# Altium PCB ATM1099C-0627-ssy-1.brd.PcbDoc (part 2 of 4) (continued)
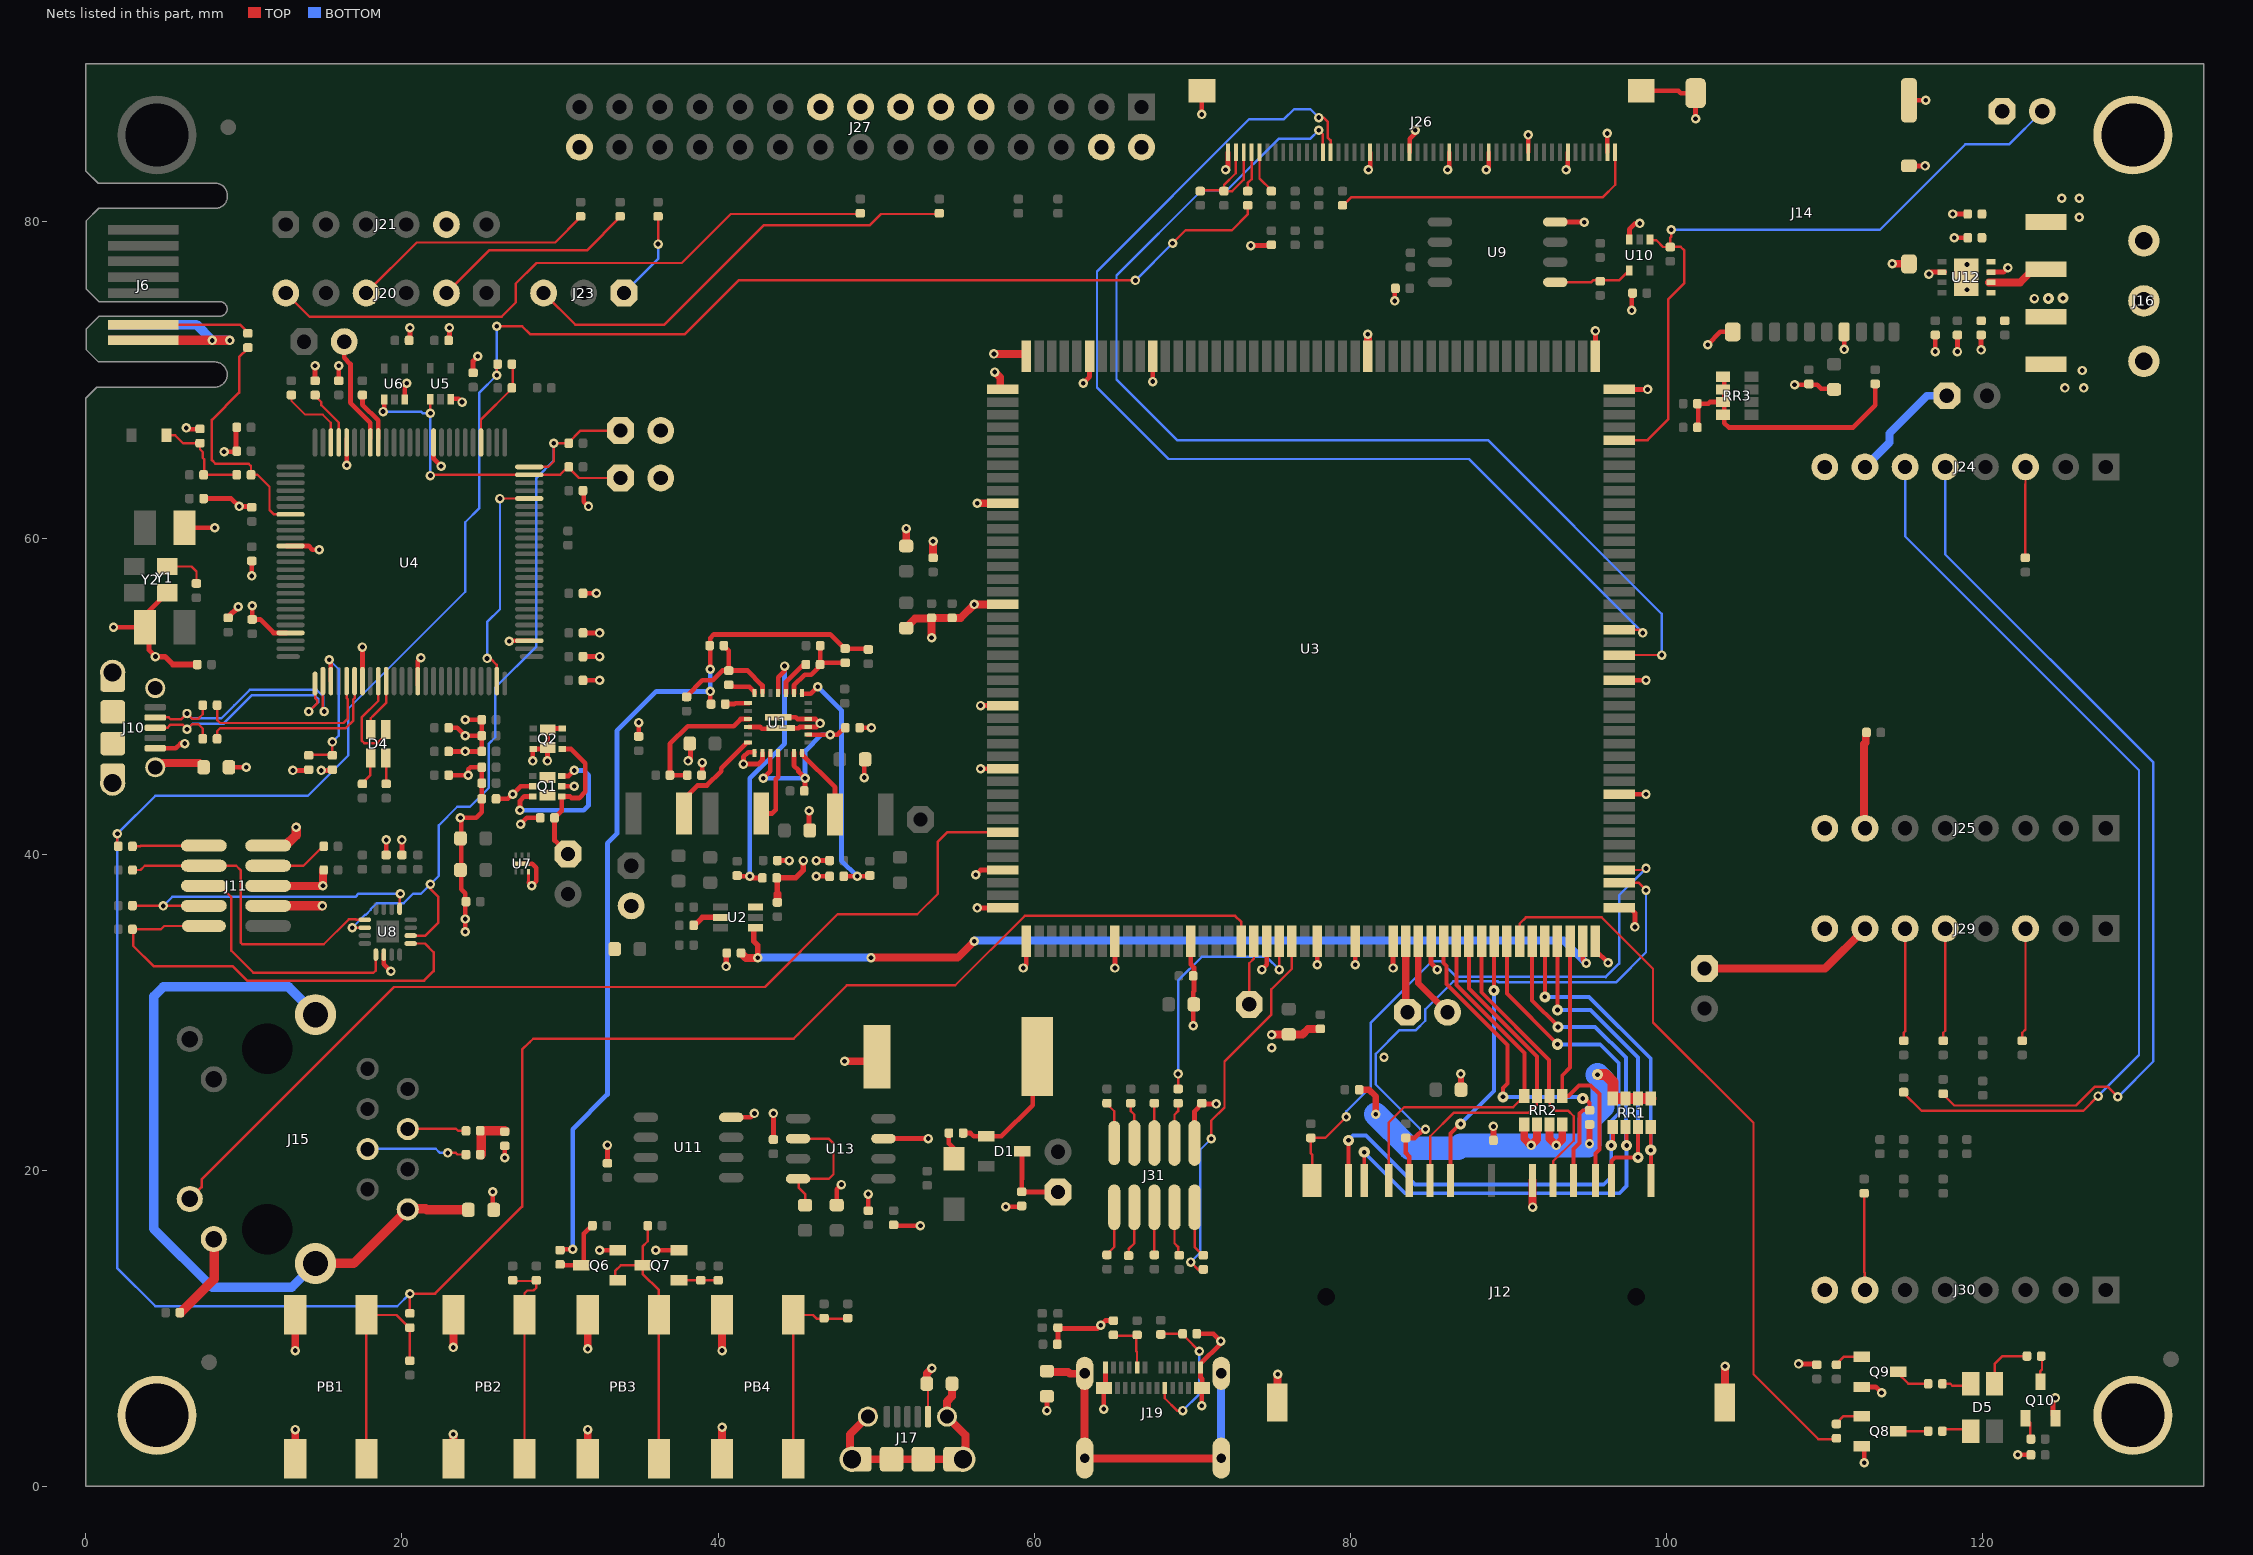
[diagram p4: the nets of this part, all layers, seen from the top]
## Part data (continued)
R78 R79: library part RSMT1212, Manufacturer 1="Vishay Dale", Manufacturer Part Number 1=CRCW040236K0FKED, Operating Temperature="-55C to +155C", Package=0402, Power=1/16W, Supplier Part Number 1=541-36.0KLCT-ND, Temperature Coeffcient=100ppm/C, Tolerance=1%, Voltage=50V, Category=Resistor, ComponentLink1Description="SVN Datasheet", ComponentLink1URL=https://chn-vm-apps.microchip.com/mchprepo/parts/Datasheets/dcrcwe3.pdf, ComponentLink2Description="Local Datasheet", ComponentLink2URL=C:\ALTIUM_WORK\00001_MCHP-CDB\Datasheets\dcrcwe3.pdf, ComponentLink3Description="Open Symbol", ComponentLink3URL=C:\ALTIUM_WORK\00001_MCHP-CDB\Library\LibraryRefs\Resistor.SchLib, ComponentLink4Description="Open Footprint", ComponentLink4URL=C:\ALTIUM_WORK\00001_MCHP-CDB\Library\Footprints\RES_C_0402.PcbLib, ComponentLink5Description="Open Footprint 2", ComponentLink6Description="Open Footprint 3", ComponentLink7Description="Open Footprint 4", Composition=TKF, Description_="RES TKF 36k 1% 1/16W SMD 0402", Dev Tools Status=Design, MCHP-ID=RSMT1212, Owner="Dragos Danaila", Populated=YES, Quantity Override=1, Revision=A, Status="MCL Design", Supplier 1=Digi-Key, Symbol=Resistor, Type="RES SMD"
R84 R86 R87 R88 R91 R94 R95 R96 R97 R99 R101 R102 R103 R104 R105 R106 R107 R108: library part RES1474, Manufacturer 1="Panasonic Electronic Components", Manufacturer Part Number 1=ERJ-2RKF22R0X, Operating Temperature="-55C to +155C", Package=0402, Power=1/10W, Supplier Part Number 1=P22.0LCT-ND, Temperature Coeffcient=100ppm/C, Tolerance=1%, Category=Resistor, Circuit Type=Isolated, ComponentLink1Description="SVN Datasheet", ComponentLink2Description="Local Datasheet", ComponentLink3Description="Open Symbol", ComponentLink3URL=C:\ALTIUM_WORK\00001_MCHP-CDB\Library\LibraryRefs\Resistor.SchLib, ComponentLink4Description="Open Footprint", ComponentLink4URL=C:\ALTIUM_WORK\00001_MCHP-CDB\Library\Footprints\RES_C_0402.PcbLib, ComponentLink5Description="Open Footprint 2", ComponentLink6Description="Open Footprint 3", ComponentLink7Description="Open Footprint 4", Composition=TKF, Description_="RES TKF 22R 1% 1/20W SMD 0402", Dev Tools Status=Production, MCHP-ID=RES1474, Owner="Mike Ragsdale", Populated=YES, Quantity Override=1, Revision=1, Status="MCL Design", Supplier 1=Digi-Key, Symbol=Resistor, Type="RES SMD"
R110 R111 R112 R113 R114 R116: library part RES1459, Manufacturer 1="KOA Speer", Manufacturer Part Number 1=RK73H1ETTP3300F, Operating Temperature="-55C to +155C", Package=0402, Power=1/10W, Supplier Part Number 1=660-RK73H1ETTP3300F, Temperature Coeffcient=100ppm/C, Tolerance=1%, Category=Resistor, Circuit Type=Isolated, ComponentLink1Description="SVN Datasheet", ComponentLink1URL=https://chn-vm-apps.microchip.com/mchprepo/parts/Datasheets/RK73H.pdf, ComponentLink2Description="Local Datasheet", ComponentLink2URL=C:\ALTIUM_WORK\00001_MCHP-CDB\Datasheets\RK73H.pdf, ComponentLink3Description="Open Symbol", ComponentLink3URL=C:\ALTIUM_WORK\00001_MCHP-CDB\Library\LibraryRefs\Resistor.SchLib, ComponentLink4Description="Open Footprint", ComponentLink4URL=C:\ALTIUM_WORK\00001_MCHP-CDB\Library\Footprints\RES_C_0402.PcbLib, ComponentLink5Description="Open Footprint 2", ComponentLink6Description="Open Footprint 3", ComponentLink7Description="Open Footprint 4", Composition=TF, Description_="RES TKF 330R 1% 1/10W SMD 0402", Dev Tools Status=Production, MCHP-ID=RES1459, Owner="Stephen Humberd", Populated=YES, Quantity Override=1, Revision=1, Status="MCL Design", Supplier 1=Mouser, Symbol=Resistor, Type="RES SMD"
RR1 RR2 RR3: library part RNET1004, "Resistor", Current=1A, Manufacturer 1=Yageo, Manufacturer Part Number 1=YC164-JR-0768KL, Operating Temperature="-55C to +155C", Package=1206, Power=62.5mW, Supplier Part Number 1=YC164J-68KCT-ND, Temperature Coeffcient=200ppm/C, Tolerance=5%, Voltage=50V, Category=Resistor, ComponentLink1Description="SVN Datasheet", ComponentLink1URL=https://chn-vm-apps.microchip.com/mchprepo/parts/Datasheets/YC102-358,TC122-164_Series_DS, ComponentLink2Description="Local Datasheet", ComponentLink2URL=C:\ALTIUM_WORK\00001_MCHP-CDB\Datasheets\YC102-358,TC122-164_Series_DS, ComponentLink3Description="Open Symbol", ComponentLink3URL="C:\ALTIUM_WORK\00001_MCHP-CDB\Library\LibraryRefs\Resistor Network 4-Ch.SchLib", ComponentLink4Description="Open Footprint", ComponentLink4URL=C:\ALTIUM_WORK\00001_MCHP-CDB\Library\Footprints\RES_C_CAV_0603x4.PcbLib, ComponentLink5Description="Open Footprint 2", ComponentLink6Description="Open Footprint 3", ComponentLink7Description="Open Footprint 4", Description_="RES NET 68k 5% 62.5mW SMD 0603x4", Dev Tools Status=Design, MCHP-ID=RNET1004, Owner="Alexandru Chiser - M19201", Populated=YES, Quantity Override=1, Revision=A, Status="MCL Design", Supplier 1=Digi-Key, Symbol="Resistor Network 4-Ch", Type="RES Network SMD"
U1: library part MIC6961, "MCHP ANALOG SWITCHER Buck 1V MIC23451-AAAYFL VQFN-26", Manufacturer 1=Microchip, Manufacturer Part Number 1=MIC23451-AAAYFL, Category=MCHP-Analog, ComponentLink1Description="SVN Datasheet", ComponentLink2Description="Local Datasheet", ComponentLink2URL=C:\ALTIUM_WORK\00001_MCHP-CDB\Datasheets\MIC23451.pdf, ComponentLink3Description="Open Symbol", ComponentLink3URL="C:\ALTIUM_WORK\00001_MCHP-CDB\Library\LibraryRefs\MIC23451 VQFN-26.SchLib", ComponentLink4Description="Open Footprint", ComponentLink4URL=C:\ALTIUM_WORK\00001_MCHP-CDB\Library\Footprints\VQFN-26_4X4_MIC23451.PcbLib, ComponentLink5Description="Open Footprint 2", ComponentLink6Description="Open Footprint 3", ComponentLink7Description="Open Footprint 4", Description_="MCHP ANALOG SWITCHER Buck 1V MIC23451-AAAYFL VQFN-26", Dev Tools Status=Design, MCHP-ID=MIC6961, Owner="Razvan Cristescu", Populated=YES, Quantity Override=1, Revision=A, Status="MCL Design", Supplier 1=Microchip, Supplier Part Number 1=MIC23451-AAAYFL, Symbol="MIC23451 VQFN-26", Type=Switcher
U2: library part ic1435, "IC SWITCHER ADG849 Analog Switch SC70", Manufacturer 1="Analog Devices Inc.", Manufacturer Part Number 1=ADG849YKSZ-REEL7, Operating Temperature="-40C to +125C", Package=SC-70-6, Supplier Part Number 1=ADG849YKSZ-REEL7CT-ND, Category=IC, ComponentLink1Description="SVN Datasheet", ComponentLink1URL=https://chn-vm-apps.microchip.com/mchprepo/parts/Datasheets/ADG849.pdf, ComponentLink2Description="Local Datasheet", ComponentLink2URL=C:\ALTIUM_WORK\00001_MCHP-CDB\Datasheets\ADG849.pdf, ComponentLink3Description="Open Symbol", ComponentLink3URL="C:\ALTIUM_WORK\00001_MCHP-CDB\Library\LibraryRefs\ADG849 SC70.SchLib", ComponentLink4Description="Open Footprint", ComponentLink4URL=C:\ALTIUM_WORK\00001_MCHP-CDB\Library\Footprints\SC-70-6.PcbLib, ComponentLink5Description="Open Footprint 2", ComponentLink6Description="Open Footprint 3", ComponentLink7Description="Open Footprint 4", Description_="IC SWITCHER ADG849 Analog Switch SC70", Dev Tools Status=Design, MCHP-ID=IC1435, Owner="Dragos Danaila", Populated=YES, Quantity Override=1, Revision=A, Status="MCL Design", Supplier 1=Digi-Key, Symbol="ADG849 SC70", Vin=5V
U3: library part MIC7283, "MCHP MCU 32-BIT SOM 500MHz 128kB ETHERNET EEPROM ATSAMA5D27-SOM1 MODULE", Manufacturer 1="Microchip Production", Manufacturer Part Number 1=ATSAMA5D27-SOM1, Category=MCHP-Microcontroller, ComponentLink1Description="SVN Datasheet", ComponentLink2Description="Local Datasheet", ComponentLink2URL=C:\ALTIUM_WORK\00001_MCHP-CDB\Datasheets\N/A, ComponentLink3Description="Open Symbol", ComponentLink3URL="C:\ALTIUM_WORK\00001_MCHP-CDB\Library\LibraryRefs\MOD SOM SAMA5D27-DXG-SOM1 40x38mm.SchLib", ComponentLink4Description="Open Footprint", ComponentLink4URL="C:\ALTIUM_WORK\00001_MCHP-CDB\Library\Footprints\MOD SOM SAMA5D27-SOM1 40MMX38MM.PcbLib", ComponentLink5Description="Open Footprint 2", ComponentLink6Description="Open Footprint 3", ComponentLink7Description="Open Footprint 4", Description_="MCHP MCU 32-BIT SOM 500MHz 128kB ETHERNET EEPROM ATSAMA5D27-SOM1 MODULE", Dev Tools Status=Design, MCHP-ID=MIC7283, Owner="Dragos Danaila", Populated=YES, Quantity Override=1, Revision=A, Status="MCL Design", Supplier 1="Microchip Production", Supplier Part Number 1=ATSAMA5D27-SOM1, Symbol="MOD SOM SAMA5D27-DXG-SOM1 40x38mm", Type="32-Bit System-on-Module"
U4: library part MIC7235, Manufacturer 1="Microchip Technology", Manufacturer Part Number 1=ATSAM3U4CA-AU, PackageType=LQFP, PackageWidth=14x14x1.4mm, Supplier Part Number 1=ATSAM3U4CA-AU-ND, TempRange="-40C to +85C", ADCBit=12, ADC Channels=8, CAN=0, CapTouchCH=28, Category=MCHP-Microcontroller, Comparators=0, ComponentLink1Description="SVN Datasheet", ComponentLink1URL=http://www.microchip.com/wwwproducts/Devices.aspx?product=ATSAM3U4C, ComponentLink2Description="Local Datasheet", ComponentLink2URL=C:\ALTIUM_WORK\00001_MCHP-CDB\Datasheets\atmel-6430-32-bit-cortex-m3-microcontroller-sam3u4-sam3u2-sam3u1_datasheet.pdf, ComponentLink3Description="Open Symbol", ComponentLink3URL="C:\ALTIUM_WORK\00001_MCHP-CDB\Library\LibraryRefs\ATSAM3U4CA-AU LQFP-100.SchLib", ComponentLink4Description="Open Footprint", ComponentLink4URL=C:\ALTIUM_WORK\00001_MCHP-CDB\Library\Footprints\LQFP-100_14x14.PcbLib, ComponentLink5Description="Open Footprint 2", ComponentLink6Description="Open Footprint 3", ComponentLink7Description="Open Footprint 4", DAChannels=0, Description_="MCHP MCU 32-BIT 96MHz 256kB 56kB ATSAM3U4CA-AU LQFP-100", Dev Tools Status=Design, DigitalTimerQty_8bit=0, DigitalTimerQty_16bit=3, DigitalTimerQty_32bit=0, EEPROM=0, Family=ATSAM3U, ForceMinOrderQtyMult=True, I2C=1, Input Capture=6, IntroductionDate=2016-12-22, IOpins=57, LeadContent=HALOGEN-FREE, LeadCount=100, MAPS Description="LQFP,GREEN,IND TEMP,MRL A", MaxSpeed=96, MCHP-ID=MIC7235, MinOrderQty=90, MPC=58Z247H7XC04, mtrlcntrlpwmchannels=0, OscillatorMHz=4,8,12Mhz,32Khz, Owner="Alexandru Chiser - M19201", PackingMedia=TRAY, Populated=YES, Program Memory KBytes=256, Program Memory KWords=64, PWM Channels=0, QEI Channels=1, Quantity Override=1, Ram=51200, Revision=A, SegmentLCD=0, SMPS PWM Channels=0, SPI=4, Stage=REL, Status="MCL Design", Supplier 1=Digi-Key, Symbol="ATSAM3U4CA-AU LQFP-100", Type=32-Bit, USART=4, USBChannels=1
U5 U6: library part IC1434, Manufacturer 1="ON Semiconductor", Manufacturer Part Number 1=NL17SZ126DFT2G, Operating Temperature="-40C to +125C", Package=SOT-353, Supplier Part Number 1=NL17SZ126DFT2GOSCT-ND, Category=IC, ComponentLink1Description="SVN Datasheet", ComponentLink1URL=https://chn-vm-apps.microchip.com/mchprepo/parts/Datasheets/NL17SZ126-D.PDF, ComponentLink2Description="Local Datasheet", ComponentLink2URL=C:\ALTIUM_WORK\00001_MCHP-CDB\Datasheets\NL17SZ126-D.PDF, ComponentLink3Description="Open Symbol", ComponentLink3URL="C:\ALTIUM_WORK\00001_MCHP-CDB\Library\LibraryRefs\NL17SZ126-D SOT-353.SchLib", ComponentLink4Description="Open Footprint", ComponentLink4URL=C:\ALTIUM_WORK\00001_MCHP-CDB\Library\Footprints\SOT-353.PcbLib, ComponentLink5Description="Open Footprint 2", ComponentLink6Description="Open Footprint 3", ComponentLink7Description="Open Footprint 4", Description_="IC BUFFER NL17SZ126DFT2G TRI-ST NON-INV SOT-353", Dev Tools Status=Design, MCHP-ID=IC1434, Owner="Alexandru Chiser - M19201", Populated=YES, Quantity Override=1, Revision=A, Status="MCL Design", Supplier 1=Digi-Key, Symbol="NL17SZ126-D SOT-353", Type=Buffer, Vin="-0.5V to +7.0V"
U7: library part MIC6905, Manufacturer 1="Microchip Technology", Manufacturer Part Number 1=MIC5528-3.3YMT-TR, PackageType=UDFN, PackageWidth=1.2x1.2x0.6mm, Supplier Part Number 1=576-4766-1-ND, TempRange="-40C to +125C", Category=MCHP-Analog, ComponentLink1Description="SVN Datasheet", ComponentLink1URL=http://www.microchip.com/wwwproducts/Devices.aspx?product=MIC5528, ComponentLink2Description="Local Datasheet", ComponentLink2URL=C:\ALTIUM_WORK\00001_MCHP-CDB\Datasheets\MIC5528.pdf, ComponentLink3Description="Open Symbol", ComponentLink3URL="C:\ALTIUM_WORK\00001_MCHP-CDB\Library\LibraryRefs\MIC5528MT DFN-6.SchLib", ComponentLink4Description="Open Footprint", ComponentLink4URL=C:\ALTIUM_WORK\00001_MCHP-CDB\Library\Footprints\DFN-6_1.2x1.2.PcbLib, ComponentLink5Description="Open Footprint 2", ComponentLink6Description="Open Footprint 3", ComponentLink7Description="Open Footprint 4", Description_="MCHP ANALOG LDO 3.3V MIC5528-3.3YMT-TR 6-TDFN", Dev Tools Status=Production, ForceMinOrderQtyMult=True, IntroductionDate=2015-10-18, LeadContent=Pb-FREE, LeadCount=6, MAPS Description="Single, 500mA LDO w/ Auto Discharge & Internal Enable Pulldown", MCHP-ID=MIC6905, MinOrderQty=5000, MPC=TKFC1YHHAA02, Owner="Tim Moffat", PackingMedia=T/R, Populated=YES, Quantity Override=1, Revision=1, Stage=REL, Status="MCL Design", Supplier 1=Digi-Key, Symbol="MIC5528MT DFN-6", tblDeviceFamilyID=7519, Type=LDO
U8: library part IC1436, "IC SWITCHER NLAS3899B Analog Switch QFN16", Manufacturer 1="ON Semiconductor", Manufacturer Part Number 1=NLAS3899BMNTWG, Operating Temperature="-65C to +150C", Package=QFN16, Supplier Part Number 1=863-NLAS3899BMNTWG, Category=IC, ComponentLink1Description="SVN Datasheet", ComponentLink1URL=https://chn-vm-apps.microchip.com/mchprepo/parts/Datasheets/NLAS3899B-D-260431.pdf, ComponentLink2Description="Local Datasheet", ComponentLink2URL=C:\ALTIUM_WORK\00001_MCHP-CDB\Datasheets\NLAS3899B-D-260431.pdf, ComponentLink3Description="Open Symbol", ComponentLink3URL="C:\ALTIUM_WORK\00001_MCHP-CDB\Library\LibraryRefs\NLAS3899B QFN16.SchLib", ComponentLink4Description="Open Footprint", ComponentLink4URL=C:\ALTIUM_WORK\00001_MCHP-CDB\Library\Footprints\QFN-16_3X3_EP1.4X1.4.PcbLib, ComponentLink5Description="Open Footprint 2", ComponentLink6Description="Open Footprint 3", ComponentLink7Description="Open Footprint 4", Description_="IC SWITCHER NLAS3899B Analog Switch QFN16", Dev Tools Status=Design, MCHP-ID=IC1436, Owner="Dragos Danaila", Populated=YES, Quantity Override=1, Revision=A, Status="MCL Design", Supplier 1=Digi-Key, Symbol="NLAS3899B QFN16", Type=Switcher, Vin=4.3V
U9: library part MIC6216, "SQI Serial Flash", Manufacturer 1="Microchip Technology", Manufacturer Part Number 1=SST26VF064B-104I/SM, MaxClockFreq="104 MHz", OpVoltMax=3.6, OpVoltMin=2.3, PackageType=SOIJ, PackageWidth=.208in, TempRange="-40C to +85C", Busmodes=SPI,SDI,SQI, Category=MCHP-Memory, ComponentLink1Description="SVN Datasheet", ComponentLink1URL=http://www.microchip.com/wwwproducts/Devices.aspx?product=SST26VF064B, ComponentLink2Description="Local Datasheet", ComponentLink3Description="Open Symbol", ComponentLink3URL="C:\ALTIUM_WORK\00001_MCHP-CDB\Library\LibraryRefs\SST26VFXXX SOIC-8_WSON-8_SOIJ-8.SchLib", ComponentLink4Description="Open Footprint", ComponentLink4URL=C:\ALTIUM_WORK\00001_MCHP-CDB\Library\Footprints\SOIJ-8.PcbLib, ComponentLink5Description="Open Footprint 2", ComponentLink6Description="Open Footprint 3", ComponentLink7Description="Open Footprint 4", Description_="MCHP SERIAL FLASH SST26VF064B-104I/SM SOIJ-8", Dev Tools Status=Production, Endurance=100,000, ForceMinOrderQtyMult=False, IntroductionDate=2014-12-05, LeadContent=Pb-FREE, LeadCount=8, MAPS Description="64Mb 2.3V TO 3.6V SQI Flash Memory", MCHP-ID=MIC6216, MemorySizeNum=64, MinOrderQty=0, MPC=S01027C3XA23, Owner="Sompoch Loboonlert", PackingMedia=TUBE, PageSize_B=256, Populated=DNP, Quantity Override=1, Revision=1, Stage=REL, Status="MCL Design", Supplier 1="Microchip Technology", Supplier Part Number 1=SST26VF064B-104I/SM, Symbol="SST26VFXXX SOIC-8_WSON-8_SOIJ-8", Type="Serial Flash", WPScheme="Full Array"
U10: library part IC1433, Manufacturer 1="ON Semiconductor", Manufacturer Part Number 1=NL17SZ125DFT2G, Operating Temperature="-55C to +125C", Package=SOT-353, Supplier Part Number 1=NL17SZ125DFT2GOSCT-ND, Category=IC, ComponentLink1Description="SVN Datasheet", ComponentLink1URL=https://chn-vm-apps.microchip.com/mchprepo/parts/Datasheets/NL17SZ125-D.PDF, ComponentLink2Description="Local Datasheet", ComponentLink2URL=C:\ALTIUM_WORK\00001_MCHP-CDB\Datasheets\NL17SZ125-D.PDF, ComponentLink3Description="Open Symbol", ComponentLink3URL="C:\ALTIUM_WORK\00001_MCHP-CDB\Library\LibraryRefs\NL17SZ125-D SOT-353.SchLib", ComponentLink4Description="Open Footprint", ComponentLink4URL=C:\ALTIUM_WORK\00001_MCHP-CDB\Library\Footprints\SOT-353.PcbLib, ComponentLink5Description="Open Footprint 2", ComponentLink6Description="Open Footprint 3", ComponentLink7Description="Open Footprint 4", Description_="IC BUFFER NL17SZ125DFT2G TRI-ST NON-INV SOT-353", Dev Tools Status=Design, MCHP-ID=IC1433, Owner="Alexandru Chiser - M19201", Populated=DNP, Quantity Override=1, Revision=A, Status="MCL Design", Supplier 1=Digi-Key, Symbol="NL17SZ125-D SOT-353", Type=Buffer, Vin="-0.5V to +7.0V"
U11: library part MIC7054, Manufacturer 1="Microchip Technology", Manufacturer Part Number 1=ATECC608A-SSHDA-B, Category=MCHP-Memory, ComponentLink1Description="SVN Datasheet", ComponentLink2Description="Local Datasheet", ComponentLink3Description="Open Symbol", ComponentLink3URL="C:\ALTIUM_WORK\00001_MCHP-CDB\Library\LibraryRefs\ATECC608A-SSHDA-B SOIC-8.SchLib", ComponentLink4Description="Open Footprint", ComponentLink4URL=C:\ALTIUM_WORK\00001_MCHP-CDB\Library\Footprints\SOIC-8.PcbLib, ComponentLink5Description="Open Footprint 2", ComponentLink6Description="Open Footprint 3", ComponentLink7Description="Open Footprint 4", Description_="MCHP MEMORY SERIAL EEPROM CRYPTO I2C ATECC608A-SSHDA-B SOIC-8", Dev Tools Status=Production, MCHP-ID=MIC7054, Owner="Mark Loper", Populated=YES, Quantity Override=1, Revision=1, Status="MCL Design", Supplier 1="Microchip Technology", Supplier Part Number 1=ATECC608A-SSHDA-B, Symbol="ATECC608A-SSHDA-B SOIC-8"
U12: library part MIC7236, "MCHP INTERFACE CAN ATA6561-GBQW VDFN-8", Manufacturer 1="Microchip Technology", Manufacturer Part Number 1=ATA6561-GBQW, OperatingCurrentMax=0, OperatingVoltageMax=5.5, OperatingVoltageMin=4.5, PackageType=VDFN, PackageWidth=3x3x0.9mm, Supplier Part Number 1=1611-ATA6561-GBQWCT-ND, TempRange="-40C to +125C", BitrateMax=0, Category=MCHP-Interface, ComponentLink1Description="SVN Datasheet", ComponentLink1URL=http://www.microchip.com/wwwproducts/Devices.aspx?product=ATA6561, ComponentLink2Description="Local Datasheet", ComponentLink2URL=C:\ALTIUM_WORK\00001_MCHP-CDB\Datasheets\Atmel-9288-CAN-Networking-ATA6560-ATA6561_Datasheet.pdf, ComponentLink3Description="Open Symbol", ComponentLink3URL="C:\ALTIUM_WORK\00001_MCHP-CDB\Library\LibraryRefs\ATA6561 VDFN-8.SchLib", ComponentLink4Description="Open Footprint", ComponentLink4URL=C:\ALTIUM_WORK\00001_MCHP-CDB\Library\Footprints\DFN-8_3x3_EP2.4X1.55.PcbLib, ComponentLink5Description="Open Footprint 2", ComponentLink6Description="Open Footprint 3", ComponentLink7Description="Open Footprint 4", Description_="MCHP INTERFACE CAN ATA6561-GBQW VDFN-8", Dev Tools Status=Design, Filters=0, ForceMinOrderQtyMult=True, IntroductionDate=2017-02-03, LeadContent=Pb-FREE, LeadCount=8, MAPS Description="CAN TRX with VIO PIN (DFN8)", Masks=0, MCHP-ID=MIC7236, MinOrderQty=6000, MPC=77A09YQ8BC07, Owner="Alexandru Chiser - M19201", PackingMedia=T/R, Populated=YES, PropDelayMax=0, Quantity Override=1, Revision=A, Stage=REL, StandbyCurrentMax=0, Status="MCL Design", Supplier 1=Digi-Key, Symbol="ATA6561 VDFN-8", tblDeviceFamilyID=11070, Type=CAN
U13: library part MIC7234, Manufacturer 1="Microchip Technology", Manufacturer Part Number 1=MIC2025-1YM, Supplier Part Number 1=576-1057-ND, Category=MCHP-Analog, ComponentLink1Description="SVN Datasheet", ComponentLink2Description="Local Datasheet", ComponentLink2URL=C:\ALTIUM_WORK\00001_MCHP-CDB\Datasheets\MIC2025_2075.pdf, ComponentLink3Description="Open Symbol", ComponentLink3URL="C:\ALTIUM_WORK\00001_MCHP-CDB\Library\LibraryRefs\MCHP ANALOG POWER SWITCH 5.5V 0.7A MIC2025-1YM SOIC8.SchLib", ComponentLink4Description="Open Footprint", ComponentLink4URL=C:\ALTIUM_WORK\00001_MCHP-CDB\Library\Footprints\SOIC-8.PcbLib, ComponentLink5Description="Open Footprint 2", ComponentLink6Description="Open Footprint 3", ComponentLink7Description="Open Footprint 4", Description_="MCHP ANALOG POWER SWITCH 5.5V 0.7A MIC2025-1YM SOIC8", Dev Tools Status=Design, MCHP-ID=MIC7234, Owner="Dragos Danaila", Populated=YES, Quantity Override=1, Revision=A, Status="MCL Design", Supplier 1=Digi-Key, Symbol="MCHP ANALOG POWER SWITCH 5.5V 0.7A MIC2025-1YM SOIC8", Type="Power Switch"
Y1: library part OSC1155, "Crystal", Load Capacitance=16pF, Manufacturer 1="IQD Frequency Products", Manufacturer Part Number 1=LFXTAL026384Reel, Operating Temperature="-20C to +70C", Package="7.5mm X 5mm", Supplier Part Number 1=449-LFXTAL026384REEL, Supply Current=-, Tolerance=30ppm, Category=Crystal/Oscillator, ComponentLink1Description="SVN Datasheet", ComponentLink1URL=https://chn-vm-apps.microchip.com/mchprepo/parts/Datasheets/LFXTAL026384Reel-940412.pdf, ComponentLink2Description="Local Datasheet", ComponentLink2URL=C:\ALTIUM_WORK\00001_MCHP-CDB\Datasheets\LFXTAL026384Reel-940412.pdf, ComponentLink3Description="Open Symbol", ComponentLink3URL="C:\ALTIUM_WORK\00001_MCHP-CDB\Library\LibraryRefs\Crystal 4 Pins.SchLib", ComponentLink4Description="Open Footprint", ComponentLink4URL=C:\ALTIUM_WORK\00001_MCHP-CDB\Library\Footprints\CRYSTAL_L7.5W5.2H1.4.PcbLib, ComponentLink5Description="Open Footprint 2", ComponentLink6Description="Open Footprint 3", ComponentLink7Description="Open Footprint 4", Description_="CRYSTAL 12MHz 16pF SMD L7.5W5.0H1.4", Dev Tools Status=Design, MCHP-ID=OSC1155, Owner="Dragos Danaila", Populated=DNP, Quantity Override=1, Revision=A, Status="MCL Design", Supplier 1=Mouser, Symbol="Crystal 4 Pins", Type=Crystal, Voltage=-
Y2: library part OSC1154, "OSCILLATOR 12MHz 3.3V SMD ASE", Manufacturer 1="Abracon LLC", Manufacturer Part Number 1=ASE-12.000MHZ-LC-T, Operating Temperature="-55C to +125C", Package=ASE, Supplier Part Number 1=535-9561-1-ND, Supply Current=7mA, Tolerance=50ppm, Voltage=3.3V, Category=Crystal/Oscillator, ComponentLink1Description="SVN Datasheet", ComponentLink1URL=https://chn-vm-apps.microchip.com/mchprepo/parts/Datasheets/ABM8G.pdf, ComponentLink2Description="Local Datasheet", ComponentLink2URL=C:\ALTIUM_WORK\00001_MCHP-CDB\Datasheets\ABM8G.pdf, ComponentLink3Description="Open Symbol", ComponentLink3URL="C:\ALTIUM_WORK\00001_MCHP-CDB\Library\LibraryRefs\OSCILLATOR 4 Pins.SchLib", ComponentLink4Description="Open Footprint", ComponentLink4URL=C:\ALTIUM_WORK\00001_MCHP-CDB\Library\Footprints\OSCILLATOR_ASE.PcbLib, ComponentLink5Description="Open Footprint 2", ComponentLink6Description="Open Footprint 3", ComponentLink7Description="Open Footprint 4", Description_="OSCILLATOR 12MHz 3.3V SMD ASE", Dev Tools Status=Design, MCHP-ID=OSC1154, Owner="Dragos Danaila", Populated=YES, Quantity Override=1, Revision=A, Status="MCL Design", Supplier 1=Digi-Key, Symbol="OSCILLATOR 4 Pins", Type=Oscillator

## Free pads (board coordinates)
  round 1 smd paste-1 mask+1: Fiducial1(9.005,85.984) Fiducial2(131.91,8.058) Fiducial3(7.797,7.865)
  round 0.6 hole 0.3: SQH(6.4,47.9) SQH(6.4,48.9) SQH(14.1,49.025) SQH(15.075,49.025)

## Via types
v1: diameter 0.6, hole 0.3, TOP to BOTTOM, tented both sides, 554 vias
v2: diameter 0.7, hole 0.3, TOP to BOTTOM, tented both sides, 17 vias

## Nets (pads, with @x,y where several pads share a name; then routed paths per layer and width w, separated by ;. In a path a pad name is that pad's centre, name@x,y a point inside that pad or via, vN(x,y) a via of type N, cw(c..) or ccw(c..) an arc to the next point about the centre after c; other vN are vias at no path point)
3U_PA25: J9.1 R38.2 U4.24 U5.1 U6.1 | length 21.4
  TOP w0.152: v1(18.8,68) v1@18.8,68.095 ; U5.1@21.79,68.813 21.8,68.802 v1(21.8,67.9) ; v1(21.8,63.952) 21.858,64.01 27.241,64.01 27.299,63.952 27.347,64 30,64 30.5,64.5 31.2,63.8 J9.1@33.83,63.8
  TOP w0.3: v1(18.8,68) 18.875,68.075 U6.1@18.875,68.77
  BOTTOM w0.152: v1(18.8,68) 21.197,68 21.297,67.9 v1(21.8,67.9) v1(21.8,63.952)
3U_PA26: J7.1 R32.2 U4.25 U8.2 U8.10 | length 50.5
  TOP w0.152: v1(16.85,35.35) U8.2@17.65,35.35 U8.2@17.7,35.35 ; U8.10@20.5,34.85 U8.10@20.55,34.85 21.482,34.85 22.3,35.668 22.3,37.3 21.8,37.8 v1(21.8,38.1) ; U4.25@28.3,64.5 29.253,64.5 29.6,64.847 v1(29.6,66) 30.5,66 31.3,66.8 J7.1@33.83,66.8
  BOTTOM w0.152: v1(16.85,35.35) 17.671,36.171 17.719,36.171 18.029,36.481 18.029,36.529 18.4,36.9 20.1,36.9 20.7,37.5 21.2,37.5 v1(21.8,38.1) 22.324,38.624 22.324,41.824 23.5,43 24.3,43 25.5,44.2 25.5,47 25.9,47.4 25.9,50.538 28.5,53.138 28.5,63.8 29.6,64.9 v1(29.6,66)
COMPN: R118.1 U3.64 | length 24
  TOP w0.152: v1(69.9,14.2) 70.4,13.7 R118.1@70.696,13.7 ; v1(71.2,22) 71.2,23.147 72.035,23.982 72.035,26.885 75,29.85 75,31.452 76.3,32.752 U3.64@76.3,34.5
  BOTTOM w0.152: v1(69.9,14.2) 70.5,14.8 70.5,21.3 v1(71.2,22)
COMPP: R117.2 U3.63 | length 16
  TOP w0.152: R117.2@69.1,25.2 v1(69.1,26.1) ; v1(75.5,32.7) U3.63@75.5,34.5
  BOTTOM w0.152: v1(69.1,26.1) 69.1,32 70.6,33.5 74.7,33.5 v1(75.5,32.7)
CS_QSPI1: R60.2 U9.1 U10.4 | length 5.7
  TOP w0.152: U9.1@92.29,76.174 93.19,76.174 95.221,76.174 95.347,76.3 97,76.3 U10.4@97.65,76.95
DHSD_N: R40.2 U4.80 | length 11.8
  TOP w0.155: R40.2@8.325,49.475 8.325,48.475 8.5,48.3 16.3,48.3 16.573,48.573 16.573,49.793 16.5,49.867 U4.80@16.5,50.95
DHSD_P: R41.2 U4.81 | length 11.9
  TOP w0.155: R41.2@8.3,47.3 8.3,47.775 8.49,47.965 16.439,47.965 16.909,48.435 16.909,49.775 17,49.867 U4.81@17,50.95
DISABLE_BOOT: J13.2 R59.2 U3.126 U10.1 | length 44.9
  TOP w0.152: U3.126@97,66.2 98.8,66.2 100.1,67.5 100.1,75.1 101.125,76.125 101.125,78.191 100.896,78.419 100.244,78.419 R59.2@100.236,78.412 99.786,78.412 99.348,78.85 U10.1@98.95,78.85 ; R59.2@100.236,78.412 100.236,79.003 100.3,79.067 v1(100.3,79.5)
  BOTTOM w0.152: v1(100.3,79.5) 113.5,79.5 118.9,84.9 121.67,84.9 J13.2@123.77,87
EARTH0: J10.0 L9.1 | length 4.1
  TOP w0.5: J10.0@1.7,44.35 J10.0@1.7,44.495 J10.0@1.7,44.99 ; J10.0@1.7,51.505 J10.0@1.7,51.65 ; J10.0@4.392,45.498 4.669,45.775 7.2,45.775 7.475,45.5 L9.1@7.5,45.5
EARTH_ETH: J15.8 J15.13 J15.14 L10.1 | length 49.5
  TOP w0.6: J15.14@14.55,14.125 16.96,14.125 J15.8@20.365,17.53 20.39,17.555 21.517,17.555 21.572,17.5 L10.1@24.2,17.5 L10.1@24.25,17.5
  BOTTOM w0.6: J15.14@14.55,14.125 J15.14@14.525,14.1 13.025,12.6 8,12.6 4.3,16.3 4.3,31 4.9,31.6 12.825,31.6 J15.13@14.55,29.875
EARTH_USB_A: J17.0 L11.2 | length 16.3
  TOP w0.5: J17.0@49.775,4.724 48.35,3.299 48.35,1.724 J17.0@48.471,1.724 J17.0@48.966,1.724 J17.0@50.973,1.724 J17.0@52.979,1.724 J17.0@54.986,1.724 J17.0@55.481,1.724 55.65,1.724 55.65,3.244 J17.0@54.478,4.417 54.478,5.378 54.8,5.7 L11.2@54.8,6.5
EARTH_USB_B: J19.25 J19.26 J19.27 J19.28 L13.2 | length 21.8
  TOP w0.5: L13.2@60.8,7.25 62.133,7.25 62.253,7.13 63.18,7.13 63.18,1.77 J19.27@71.82,1.77
  BOTTOM w0.5: J19.27@71.82,1.77 J19.26@71.82,7.13
ENSPI: U4.21 U4.99 | length 14.7
  TOP w0.152: v1(25.382,52.384) 25.591,52.384 26,51.975 U4.99@26,50.95 U4.99@26,50.7 ; v1(26.2,62.5) U4.21@28.05,62.5 U4.21@28.3,62.5
  BOTTOM w0.152: v1@25.382,52.318 v1(25.382,52.384) 25.382,54.682 26.2,55.5 v1(26.2,62.5)
ETH_LED0: J15.11 U3.36 | length 63.2
  TOP w0.152: J15.11@6.6,18.215 7.327,18.942 7.327,19.427 19.5,31.6 42.958,31.6 47.557,36.2 52.6,36.2 53.9,37.5 53.9,40.8 54.5,41.4 U3.36@58,41.4
FLEXCOM3_IO0_MOSI: J20.4 R86.2 | length 15.6
  TOP w0.152: J20.4@17.73,75.5 20.93,78.7 29.7,78.7 R86.2@31.3,80.3
FLEXCOM3_IO1_MISO: J20.2 R84.2 | length 13
  TOP w0.152: J20.2@22.81,75.5 25.51,78.2 31.7,78.2 R84.2@33.8,80.3
FLEXCOM3_IO2_SPCK: J23.1 R82.2 | length 5.7
  TOP w0.152: v1(36.2,78.6) R82.2@36.2,80.3
  BOTTOM w0.152: J23.1@34.04,75.5 36.2,77.66 v1(36.2,78.6)
FLEXCOM3_IO3_NPCS0: J20.6 R87.2 | length 40.4
  TOP w0.152: J20.6@12.65,75.5 14.15,74 26.3,74 27.2,74.9 27.2,76.1 28.5,77.4 37.7,77.4 40.8,80.5 R87.2@49,80.5
FLEXCOM3_IO4_NPCS1: J23.3 R88.2 | length 28.8
  TOP w0.152: J23.3@28.96,75.5 30.96,73.5 36.6,73.5 42.9,79.8 49.6,79.8 50.3,80.5 R88.2@54,80.5
GND_ETH: C63.2 C64.2 R64.2 | length 3
  TOP w0.6: C63.2@25,21 25,22.5 R64.2@26.5,22.5
GND_POWER: C1.2 C2.2 C3.2 C4.2 C5.2 C6.2 C7.2 C8.2 C9.2 C10.2 C12.2 C13.2 C14.2 C15.2 C16.2 C17.2 C18.2 C19.2 C20.2 C21.2 C22.2 C23.2 C24.2 C25.1 C26.2 C27.2 C28.2 C29.2 C30.2 C31.2 C32.2 C33.2 C34.2 C35.2 C36.2 C37.2 C38.2 C39.2 C40.2 C41.2 C42.2 C43.2 C44.2 C45.2 C46.2 C47.2 C48.2 C49.2 C50.2 C51.2 C52.2 C53.2 C54.2 C55.2 C56.2 C57.2 C58.2 C59.2 C60.2 C61.2 C62.2 C65.2 C66.2 C67.2 C68.2 C69.2 C70.2 C71.2 J6.2 J6.3 J7.2 J9.2 J10.5 J11.3 J11.5 J11.9 J12.3 J12.15 J12.16 J13.1 J14.G1 J14.G2 J14.G3 J14.G5 J14.G6 J14.P6 J16.1 J17.5 J19.A1 J19.A12 J19.B1 J19.B12 J21.5 J24.8 J25.8 J26.2 J26.7 J26.12 J26.17 J26.22 J26.27 J26.32 J26.50 J26.MNT J27.2 J27.4 J27.9 J27.11 J27.13 J27.15 J27.17 J27.30 J29.8 J30.8 J31.10 L9.2 L10.2 L11.1 L13.1 MH1.1 MH3.1 MH4.1 PB1.3 PB1.4 PB2.3 PB2.4 PB3.1 PB3.2 PB4.3 PB4.4 Q6.2 Q7.2 Q8.2 Q9.2 Q10.2 R1.2 R3.1 R5.2 R8.2 R9.2 R12.2 R14.2 R26.1 R28.2 R37.1 R64.1 R68.2 R71.2 R77.2 R120.2 R133.2 R137.2 U1.1 U1.2 U1.10 U1.11 U1.24 U2.3 U3.1 U3.10 U3.18 U3.26 U3.31 U3.39 U3.42 U3.43 U3.50 U3.56 U3.62 U3.66 U3.69 U3.72 U3.75 U3.88 U3.89 U3.98 U3.107 U3.130 U3.131 U3.149 U3.166 U3.171 U3.176 U4.3 U4.35 U4.46 U4.61 U4.72 U4.82 U4.89 U5.3 U6.3 U7.3 U7.7 U8.6 U9.4 U10.3 U11.4 U12.2 U12.9 U13.3 Y1.2 Y1.4 Y2.2 | length 290.1